# Altium PCB Evaluation Board.PcbDoc (part 1 of 22) (continued)
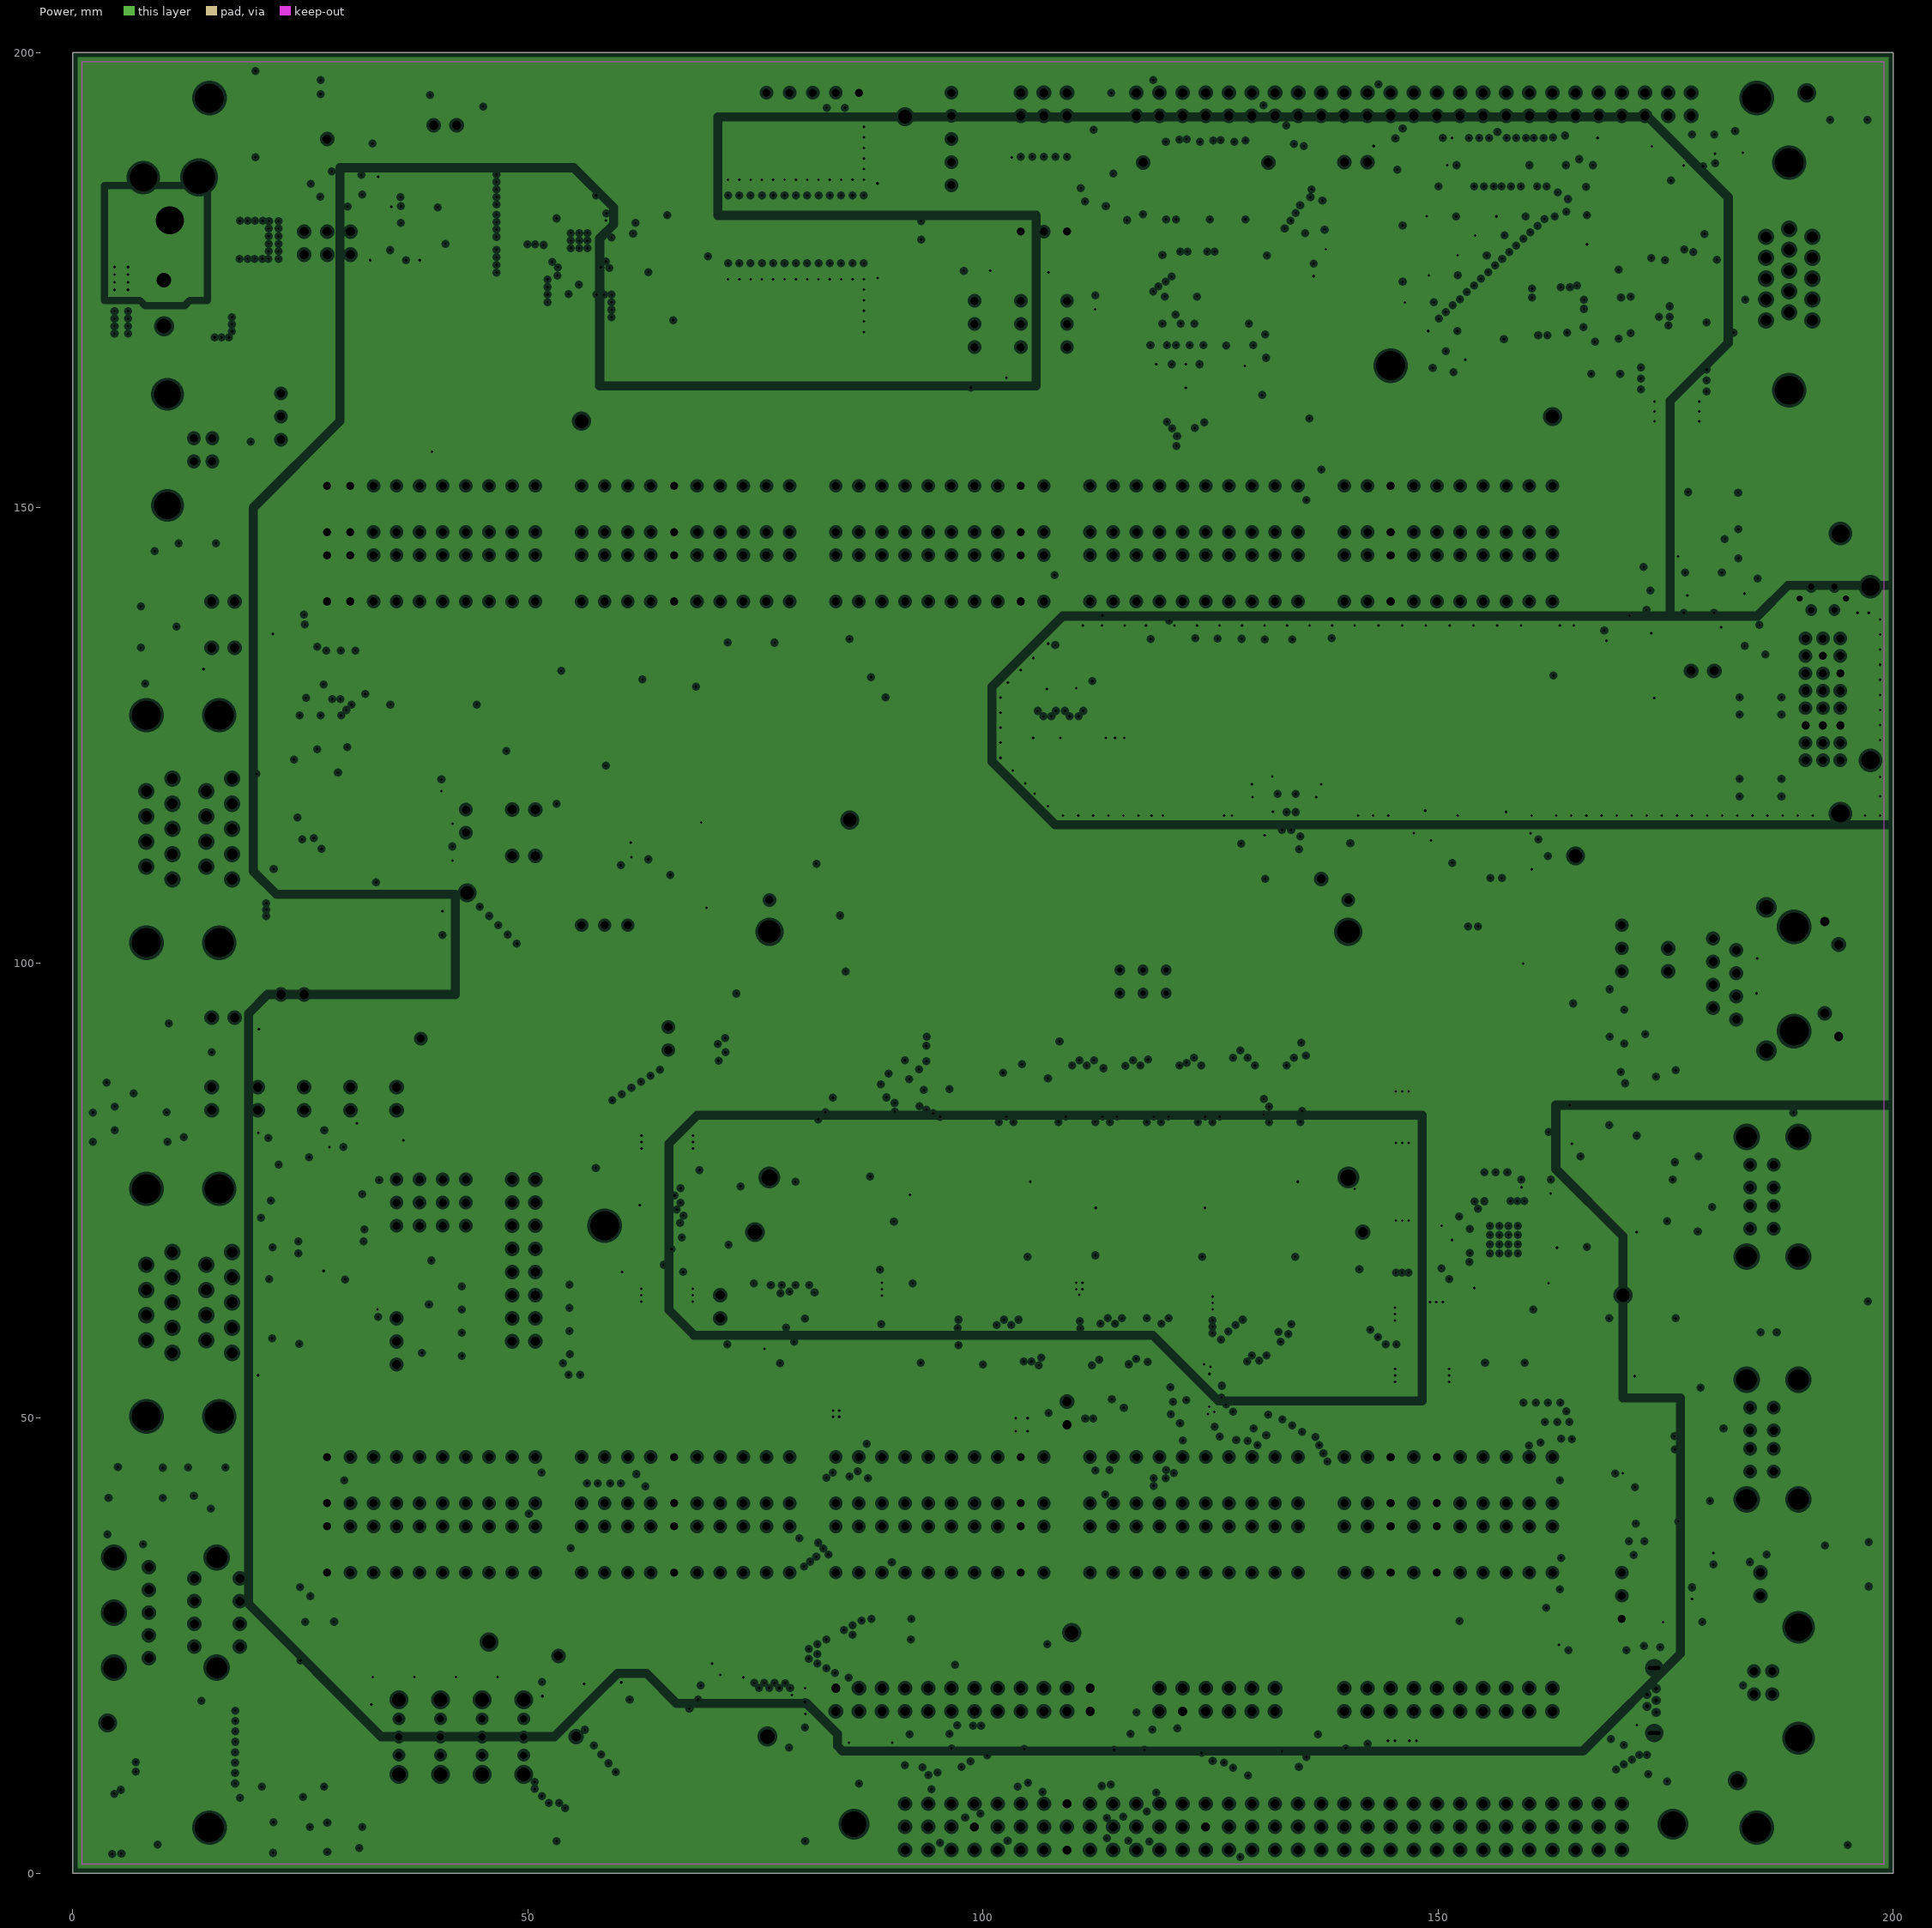
[diagram p3: Power, clearances drawn from the general rule]

## Layer stack, top to bottom
Top Layer: signal copper 0.043
Dielectric: prepreg 0.1123, FR-4, Dk 4.8
GND: plane copper 0.035, net (Multiple Nets)
Dielectric: core 1.1794, FR-4, Dk 4.8
Power: plane copper 0.035, net (Multiple Nets)
Dielectric: prepreg 0.1123, FR-4, Dk 4.8
Bottom Layer: signal copper 0.043

## Board outline
0,0 0,200 200,200 200,0

## Design rules (kind name [scope] priority, off if disabled: settings)
Clearance [All] p1: gap=0.15
ComponentClearance ComponentClearance_PCB [(InComponent('MECH1'))] p1: gap=0 collisioncheckmode=3 verticalgap=0 showdistances=FALSE
ComponentClearance [All] p2: gap=0.2 collisioncheckmode=3 verticalgap=0.254 showdistances=TRUE
DiffPairsRouting DiffPair_DIFF100DiffPairsRouting [InDifferentialPairClass('DIFF100')] p1: maxlimit=0.203 minlimit=0.203 mostfreqgap=0.203 maxuncoupledlength=12.7
DiffPairsRouting DiffPair_DIFF90DiffPairsRouting [InDifferentialPairClass('DIFF90')] p2: maxlimit=0.152 minlimit=0.152 mostfreqgap=0.152 maxuncoupledlength=12.7
DiffPairsRouting [All] p3: maxlimit=0.254 minlimit=0.254 mostfreqgap=0.254 maxuncoupledlength=12.7
Height [All] p1: minheight=0 maxheight=40 prefheight=12.7
HoleSize [All] p1: absolutevalues=TRUE maxlimit=4 minlimit=0.025 maxpercent=80.000 minpercent=20.000
MinimumSolderMaskSliver [All] p1: minsoldermaskwidth=0
PlaneClearance [All] p1: clearance=0.3
PlaneConnect PlaneConnect_Power_IN [(InComponent('X33')OR InComponent('X35'))] p1: planeconnectstyle=Relief reliefexpansion=0.8 reliefentries=4 reliefconductorwidth=0.6 reliefairgap=0.254
PlaneConnect PlaneConnect_VIAS [Isvia] p2: planeconnectstyle=Direct reliefexpansion=0.508 reliefentries=4 reliefconductorwidth=0.254 reliefairgap=0.254
PlaneConnect [All] p3: planeconnectstyle=Relief reliefexpansion=0.3 reliefentries=4 reliefconductorwidth=0.2 reliefairgap=0.15
PolygonConnect PolygonConnect_Inductors [(InComponent('L21')OR InComponent('R44')OR InComponent('T2'))] p1: connectstyle=Direct reliefconductorwidth=0.254 reliefentries=4 polygonreliefangle="90 Angle"
PolygonConnect PolygonConnect_Via [Isvia] p2: connectstyle=Direct reliefconductorwidth=0.254 reliefentries=4 polygonreliefangle="90 Angle"
PolygonConnect PolygonConnect_Power [(InComponent('D6') OR InComponent('L18')OR InComponent('L19')OR InComponent('L46'))] p3: connectstyle=Relief reliefconductorwidth=0.6 reliefentries=4 polygonreliefangle="90 Angle"
PolygonConnect [All] p4: connectstyle=Relief reliefconductorwidth=0.4 reliefentries=4 polygonreliefangle="90 Angle"
RoutingVias [All] p1: holewidth=0.3 width=0.6 viastyle="Through Hole" minholewidth=0.3 minwidth=0.6 maxholewidth=0.3 maxwidth=0.6
SilkToSilkClearance [All] p1: silktosilkclearance=0.1
SilkscreenOverComponentPads [All] p1: minsilkscreentomaskgap=0.1
SolderMaskExpansion [All] p1: expansion=0
Width DiffPair_DIFF100Width [InDifferentialPairClass('DIFF100')] p1: maxlimit=0.152 minlimit=0.152 preferedwidth=0.152
Width DiffPair_DIFF90Width [InDifferentialPairClass('DIFF90')] p2: maxlimit=0.178 minlimit=0.15 preferedwidth=0.178
Width Power [(InNet('3.3v') OR InNet('5V') OR InNet('GND')OR InNet('VDD_CL')OR InNet('VDD_DVI')OR InNet('EARTH')OR InNet('NetFLT4_1')OR InNet ('V_SUPPLY_FILT')OR InNet ('GND_IN')OR InNet ('+12V_IN')OR InNet('GND_LVDS')OR InNet ('GND_PLL')OR InNet ('VCC_PLL')OR InNet ('VCC_LVDS')OR InNet ('AUDIO_AVCC')OR InNet ('AUDIO_AGND')OR InNet ('VCC_ISO')OR InNet ('GND_ISO')OR InNet ('SEL_1')OR InNet ('SEL_2')OR InNet ('SEL_3')OR InNet ('LVDS_3.3V')OR InNet ('LVDS_5V')OR InNet ('+V_DISPLAY')OR InNet ('ETH_AGND')OR InNet ('ETH_AVCC')OR InNet ('VSTB')OR InNet ('V5FILT')OR InNet ('VREG3')OR InNet('DVI_5V'))] p3: maxlimit=1.5 minlimit=0.3 preferedwidth=0.3
Width [All] p4: maxlimit=1.5 minlimit=0.14 preferedwidth=0.15
19 further rules are at their usual default settings.

## Classes and differential pairs
net class USB_PWR_SODIMM[0..2]: USB_PWR_SODIMM0 USB_PWR_SODIMM1 USB_PWR_SODIMM2
net class USB_PWR[0..2]: USB_PWR0 USB_PWR1 USB_PWR2
net class USB_C[0..1]: USB_C0 USB_C1
net class UART_B[0..7]: UART_B0 UART_B1 UART_B2 UART_B3 UART_B4 UART_B5 UART_B6 UART_B7
net class UART_A[0..7]: UART_A0 UART_A1 UART_A2 UART_A3 UART_A4 UART_A5 UART_A6 UART_A7
net class TOUCH[0..3]: TOUCH0 TOUCH1 TOUCH2 TOUCH3
net class SSP_SODIMM[0..4]: SSP_SODIMM0 SSP_SODIMM1 SSP_SODIMM2 SSP_SODIMM3 SSP_SODIMM4
net class SSP[0..4]: SSP0 SSP1 SSP2 SSP3 SSP4
net class SERIAL_SODIMM[0..13]: SERIAL_SODIMM0 SERIAL_SODIMM1 SERIAL_SODIMM2 SERIAL_SODIMM3 SERIAL_SODIMM4 SERIAL_SODIMM5 SERIAL_SODIMM6 SERIAL_SODIMM7 SERIAL_SODIMM8 SERIAL_SODIMM9 SERIAL_SODIMM10 SERIAL_SODIMM11 SERIAL_SODIMM12 SERIAL_SODIMM13
net class SERIAL[0..13]: SERIAL0 SERIAL1 SERIAL2 SERIAL3 SERIAL4 SERIAL5 SERIAL6 SERIAL7 SERIAL8 SERIAL9 SERIAL10 SERIAL11 SERIAL12 SERIAL13
net class SD_SODIMM[0..6]: SD_SODIMM0 SD_SODIMM1 SD_SODIMM2 SD_SODIMM3 SD_SODIMM4 SD_SODIMM5 SD_SODIMM6
net class SD[0..6]: SD0 SD1 SD2 SD3 SD4 SD5 SD6
net class RS485_[0..3]: RS485_0 RS485_1 RS485_2 RS485_3
net class PWM_SODIMM[0..3]: PWM_SODIMM0 PWM_SODIMM1 PWM_SODIMM2 PWM_SODIMM3
net class PWM[0..3]: PWM0 PWM1 PWM2 PWM3
net class LVDS[0..7]: LVDS0 LVDS1 LVDS2 LVDS3 LVDS4 LVDS5 LVDS6 LVDS7
net class LCD_SODIMM[0..28]: LCD_SODIMM0 LCD_SODIMM1 LCD_SODIMM2 LCD_SODIMM3 LCD_SODIMM4 LCD_SODIMM5 LCD_SODIMM6 LCD_SODIMM7 LCD_SODIMM8 LCD_SODIMM9 LCD_SODIMM10 LCD_SODIMM11 LCD_SODIMM12 LCD_SODIMM13 LCD_SODIMM14 LCD_SODIMM15 LCD_SODIMM16 LCD_SODIMM17 LCD_SODIMM18 LCD_SODIMM19 LCD_SODIMM20 LCD_SODIMM21 LCD_SODIMM22 LCD_SODIMM23 LCD_SODIMM24 LCD_SODIMM25 LCD_SODIMM26 LCD_SODIMM27 LCD_SODIMM28
net class LCD[0..28]: LCD0 LCD1 LCD2 LCD3 LCD4 LCD5 LCD6 LCD7 LCD8 LCD9 LCD10 LCD11 LCD12 LCD13 LCD14 LCD15 LCD16 LCD17 LCD18 LCD19 LCD20 LCD21 LCD22 LCD23 LCD24 LCD25 LCD26 LCD27 LCD28
net class JTAG[0..5]: JTAG0 JTAG1 JTAG2 JTAG3 JTAG4 JTAG5
net class I2C[0..1]: I2C0 I2C1
net class GPIOS_SODIMM[0..5]: GPIOS_SODIMM0 GPIOS_SODIMM1 GPIOS_SODIMM2 GPIOS_SODIMM3 GPIOS_SODIMM4 GPIOS_SODIMM5
net class ETHERNET[0..6]: ETHERNET0 ETHERNET1 ETHERNET2 ETHERNET3 ETHERNET4 ETHERNET5 ETHERNET6
net class CS_EXT_IO[0..6]: CS_EXT_IO0 CS_EXT_IO1 CS_EXT_IO2 CS_EXT_IO3 CS_EXT_IO4 CS_EXT_IO5 CS_EXT_IO6
net class CIF[0..12]: CIF_D_1 CIF_D_2 CIF_D_3 CIF_D_4 CIF_D_5 CIF_D_8 CIF_D_9 CIF_D_10 CIF_D_11 CIF_HSYNC CIF_MCLK CIF_PCLK CIF_VSYNC SODIMM_59 SODIMM_67 SODIMM_71
net class BUS_SODIMM[0..66]: BUS_SODIMM0 BUS_SODIMM1 BUS_SODIMM2 BUS_SODIMM3 BUS_SODIMM4 BUS_SODIMM5 BUS_SODIMM6 BUS_SODIMM7 BUS_SODIMM8 BUS_SODIMM9 BUS_SODIMM10 BUS_SODIMM11 BUS_SODIMM12 BUS_SODIMM13 BUS_SODIMM14 BUS_SODIMM15 BUS_SODIMM16 BUS_SODIMM17 BUS_SODIMM18 BUS_SODIMM19 BUS_SODIMM20 BUS_SODIMM21 BUS_SODIMM22 BUS_SODIMM23 BUS_SODIMM24 BUS_SODIMM25 BUS_SODIMM26 BUS_SODIMM27 BUS_SODIMM28 BUS_SODIMM29 BUS_SODIMM30 BUS_SODIMM31 BUS_SODIMM32 BUS_SODIMM33 BUS_SODIMM34 BUS_SODIMM35 BUS_SODIMM36 BUS_SODIMM37 BUS_SODIMM38 BUS_SODIMM39 BUS_SODIMM40 BUS_SODIMM41 BUS_SODIMM42 BUS_SODIMM43 BUS_SODIMM44 BUS_SODIMM45 BUS_SODIMM46 BUS_SODIMM47 BUS_SODIMM48 BUS_SODIMM49 BUS_SODIMM50 BUS_SODIMM51 BUS_SODIMM52 BUS_SODIMM53 BUS_SODIMM54 BUS_SODIMM55 BUS_SODIMM56 BUS_SODIMM57 BUS_SODIMM58 BUS_SODIMM59 BUS_SODIMM60 BUS_SODIMM61 BUS_SODIMM62 BUS_SODIMM63 BUS_SODIMM64 BUS_SODIMM65 BUS_SODIMM66
net class AUDIO[0..6]: AUDIO0 AUDIO1 AUDIO2 AUDIO3 AUDIO4 AUDIO5 AUDIO6
component class VGA: C16 C17 C25 C26 C27 C28 C29 C30 C31 C180 C181 C182 C183 C184 C185 C186 C187 C188 C189 D15 D16 IC3 IC25 IC26 L48 L49 L50 L51 L52 R6 R7 R8 R11 R12 R14 R15 R16 R175 R176 R185 X24
component class DVI-I: C12 C13 C14 C15 C18 C19 C20 C21 C22 C23 C32 C33 C34 C35 C36 C37 C38 C39 C40 C41 C42 C43 C44 D1 D2 D3 D4 D5 IC1 IC2 JP1 L1 L2 L3 L4 L5 L8 L9 R4 R5 R9 R10 R13 R17 R18 R19 X5 X6
differential pair class LVDS: D_LVDS_CLK D_LVDS_OUT0 D_LVDS_OUT1 D_LVDS_OUT2
differential pair class HDMI: D_TMDS_CLK D_TMDS_DATA0 D_TMDS_DATA1 D_TMDS_DATA2
component class Camera_Interface: C173 C174 R56 R155 R168 R171 RA35 RA36 RA37 X22
component class Unified_Interface: R89 R90 R100 R101 R110 X34
net class ANALOG_IN[0..3]: ANALOG_IN0 ANALOG_IN1 ANALOG_IN2 ANALOG_IN3
component class USB: C114 C115 C116 C117 C118 C119 C120 C121 C122 C123 C124 C125 C126 C127 C128 C129 C130 C131 C132 C133 C134 C135 C136 C137 C138 C139 C140 C141 C142 C143 C144 D10 D11 D12 D13 IC13 IC14 IC15 IC16 JP2 L27 L28 L29 L30 L31 L32 L33 L34 L35 L36 L37 L38 L39 L40 L41 L42 L43 LED7 LED8 LED9 LED10 LED15 OSC2 R68 R69 R70 R71 R72 R73 R74 R78 R79 R80 R81 R82 R83 R84 R85 R86 R87 R88 R102 R103 R140 R144 R145 R173 R187 R188 R? RA21 RA28 T3 X29 X30 X31 X32
component class Serial: C97 C98 C99 C100 C101 C102 C103 C104 C105 C106 C107 C108 C109 C110 C111 C112 C113 C177 C178 C179 IC8 IC9 IC10 IC11 IC12 JP11 JP12 JP13 JP14 JP15 JP16 JP17 JP18 JP19 JP20 JP21 L26 LED5 LED6 R57 R58 R61 R62 R63 R64 R65 R66 R67 R147 R148 R149 R150 R151 R154 R172 R174 R177 R178 RA2 RA3 RA4 TP3 TP4 TP5 X25 X27 X36
component class SDCard: C94 C95 C96 L25 R50 R51 R52 R53 R54 R60 RA32 RA34 TP6 X15
component class RTC: BAT1 C90 C91 C92 C93 D8 D9 IC7 JP23 OSC1 R45 R46 R47 R48 R49
component class PowerSupply: C57 C58 C59 C60 C61 C62 C63 C64 C65 C66 C67 C68 C69 C70 C71 C72 C73 C74 C75 C76 C77 C78 C79 C80 C81 C82 C84 C85 C86 C87 C88 C89 D6 D7 D14 IC5 IC6 JP10 JP25 L18 L19 L20 L21 L22 L23 L24 L46 LED13 LED14 MECH1 MECH2 MECH4 MECH5 MECH6 MECH7 MECH8 MECH9 R31 R32 R33 R34 R35 R36 R37 R38 R39 R40 R41 R42 R43 R44 R76 R91 R92 R156 R157 R158 R159 R160 R161 R162 R163 R164 R165 R166 R167 R184 R189 R190 T1 T2 TP7 TP12 TP13 TP14 TP15 TP16 TP17 TP18 TP19 TP20 TP21 TP22 X1 X7 X8 X9 X10 X11 X12 X33 X35 X37
component class Power_Switch: C166 C167 C168 C169 C170 C171 C172 IC21 IC22 IC23 JP28 LED18 R55 R59 R75 R77 R93 R94 R134 R136 R137 R139 R146 SW7 SW8 SW9 T6 T7 T8 TP8 X4
component class LVDS: C50 C51 C52 C53 C54 C55 C56 IC4 JP7 JP8 JP9 L12 L13 L14 L15 L16 L17 R26 R27 R28 R29 R30 R186 X18
component class LEDs_Switches: LED1 LED2 LED3 LED4 R118 R119 R120 R121 R122 R123 R124 R125 R126 R127 R128 R129 R130 R131 R132 R133 R135 R138 R152 R153 R180 R181 R182 R183 SW1 SW2 SW3 SW4 SW5 SW6 T4 T5 X21
component class LDD: RA1 RA5 RA6 RA7 RA8 RA9 RA10 RA16
component class JTAG: C83 C175 IC24 JP29 R111 R112 R113 R114 R115 R116 R117 TP11 X13 X19 X28
component class Generic_Display: C145 C146 C147 C148 C149 C150 C151 C152 C153 C176 JP24 L44 L45 L47 TP9 TP10 X16 X20 X23
component class Ethernet: C45 C46 C47 C48 C49 JP3 JP6 L10 L11 R20 R21 R22 R23 R24 R25 X17
component class CAN: C158 C159 C160 C161 C162 C163 C164 C165 IC17 IC18 IC19 IC20 JP4 JP5 JP26 JP27 LED11 LED12 OSC3 R104 R105 R106 R107 R108 R109 RA11 X2 X38
component class Audio: C1 C2 C3 C4 C5 C6 C7 C8 C9 C10 C11 R1 R2 R3 TP1 TP2 X26
component class Analog_IOs: C154 C155 C156 C157 R95 R96 R97 R98 R99 RA29 RA33 X14
component class Extension: R141 R142 R143 RA12 RA13 RA14 RA15 RA17 RA18 RA19 RA20 RA22 RA23 RA24 RA25 RA26 RA30 RA31 X3
differential pair class DIFF100: D_ETH_RXI D_ETH_TX0 D_LVDS_CLK D_LVDS_OUT0 D_LVDS_OUT1 D_LVDS_OUT2 D_TMDS_CLK D_TMDS_DATA0 D_TMDS_DATA1 D_TMDS_DATA2
differential pair class DIFF90: D_USB1 D_USB1_C D_USB2 D_USB2_C D_USB3 D_USB3_C D_USB4 D_USB4_C D_USBC D_USBC_C D_USBH USBC_B USBD USBH_S
component class GPIOs: R169 R170 RA27
net class HDMI: TMDS_CLK_N TMDS_CLK_P TMDS_DATA0_N TMDS_DATA0_P TMDS_DATA1_N TMDS_DATA1_P TMDS_DATA2_N TMDS_DATA2_P
differential pair USBC_B: +USBC_B_P -USBC_B_N
differential pair USBH_S: +USBH_S_P -USBH_S_N
differential pair D_ETH_RXI: +ETH_RXI_P -ETH_RXI_N
differential pair D_ETH_TX0: +ETH_TX0_P -ETH_TX0_N
differential pair D_LVDS_CLK: +LVDS_CLK_P -LVDS_CLK_N
differential pair D_LVDS_OUT0: +LVDS_OUT0_P -LVDS_OUT0_N
differential pair D_LVDS_OUT1: +LVDS_OUT1_P -LVDS_OUT1_N
differential pair D_LVDS_OUT2: +LVDS_OUT2_P -LVDS_OUT2_N
differential pair D_TMDS_CLK: +TMDS_CLK_P -TMDS_CLK_N
differential pair D_TMDS_DATA0: +TMDS_DATA0_P -TMDS_DATA0_N
differential pair D_TMDS_DATA1: +TMDS_DATA1_P -TMDS_DATA1_N
differential pair D_TMDS_DATA2: +TMDS_DATA2_P -TMDS_DATA2_N
differential pair D_USB1_C: +USB1_C_P -USB1_C_N
differential pair D_USB1: +USB1_P -USB1_N
differential pair D_USB2_C: +USB2_C_P -USB2_C_N
differential pair D_USB2: +USB2_P -USB2_N
differential pair D_USB3_C: +USB3_C_P -USB3_C_N
differential pair D_USB3: +USB3_P -USB3_N
differential pair D_USB4_C: +USB4_C_P -USB4_C_N
differential pair D_USB4: +USB4_P -USB4_N
differential pair D_USBC_C: +USBC_C_P -USBC_C_N
differential pair D_USBC: +USBC_P -USBC_N
differential pair D_USBH: +USBH_P -USBH_N
differential pair USBD: +USBD_P -USBD_N

## Components (designator, comment, footprint, x,y, rotation, side; value= is the part's Value field where it differs from the comment)
BAT1 "HU2032-LF" T_RENATA_HU2032-LF 51.816,91.694 r180 top locked
C1 "15pF" T_CAPC0603X33N 24.1,30.65 r270 top
C2 "15pF" T_CAPC0603X33N 24.13,24.1 r90 top
C3 "15pF" T_CAPC0603X33N 27.168,27.619 r180 top
C4 "47uF" CAPMP3528X210N 20.063,40.901 r180 top
C5 "47uF" CAPMP3528X210N 20.063,37.612 r180 top
C6 "15pF" T_CAPC0603X33N 15.15,38.381 r270 top
C7 "15pF" T_CAPC0603X33N 13.291,39.806 r270 top
C8 "15pF" T_CAPC0603X33N 9.868,42.895 r270 top
C9 "15pF" T_CAPC0603X33N 4.559,38.1 r0 top
C10 "47uF" CAPMP3528X210N 7.699,39.173 r270 top
C11 "15pF" T_CAPC0603X33N 3.91,42.894 r90 top
C12 "47pF" T_CAPC0603X33N 183.322,142.24 r0 top
C13 "100nF" T_CAPC0603X33N 174.463,143.471 r0 top
C14 "47pF" T_CAPC0603X33N 181.1,138.557 r270 top
C15 "100nF" T_CAPC0603X33N 174.755,138.753 r0 top
C16 "100nF" T_CAPC0603X33N 169.997,177.052 r180 top
C17 "100nF" T_CAPC0603X33N 169.997,178.236 r180 top
C18 "10pF" T_CAPC0603X33N 177.136,144.67 r270 top
C19 "10pF" T_CAPC0603X33N 181.166,144.657 r270 top
C20 "10pF" T_CAPC0603X33N 177.461,149.91 r90 top
C21 "10pF" T_CAPC0603X33N 181.491,148.36 r270 top
C22 "10pF" T_CAPC0603X33N 184.766,151.664 r180 top
C23 "10pF" T_CAPC0603X33N 184.766,147.634 r180 top
C25 "22uF" CAPMP3528X210N 176.225,163.955 r0 top
C26 "10nF" T_CAPC0603X33N 171.949,169.969 r90 top
C27 "100nF" T_CAPC0603X33N 173.093,169.969 r90 top
C28 "10nF" T_CAPC0603X33N 173.093,172.435 r270 top
C29 "100nF" T_CAPC0603X33N 171.949,172.435 r270 top
C30 "10nF" T_CAPC0603X33N 167.825,165.484 r90 top
C31 "100nF" T_CAPC0603X33N 168.983,165.484 r90 top
C32 "4.7pF" T_CAPC0603X33N 170.296,134.435 r180 top
C33 "4.7pF" T_CAPC0603X33N 167.723,134.435 r0 top
C34 "220pF" T_CAPC0603X33N 173.736,130.797 r270 top
C35 "100nF" T_CAPC0603X33N 150.368,182.007 r180 top
C36 "100nF" T_CAPC0603X33N 150.513,169.418 r180 top
C37 "100nF" T_CAPC0603X33N 158.011,182.007 r180 top
C38 "100nF" T_CAPC0603X33N 155.673,179.918 r180 top
C39 "100nF" T_CAPC0603X33N 166.345,180.543 r270 top
C40 "100nF" T_CAPC0603X33N 144.526,189.738 r180 top
C41 "100nF" T_CAPC0603X33N 177.883,189.409 r270 top
C42 "100nF" T_CAPC0603X33N 150.573,175.526 r180 top
C43 "100nF" T_CAPC0603X33N 147.93,172.553 r180 top
C44 "100nF" T_CAPC0603X33N 153.735,177.724 r180 top
C45 "100nF" T_CAPC0603X33N 173.66,91.161 r90 top
C46 "100nF" T_CAPC0603X33N 173.469,95.622 r270 top
C47 "100nF" T_CAPC0603X33N 172.745,102.006 r90 top
C48 "47uF" CAPMP3528X210N 163.144,100.152 r270 top
C49 "47uF" CAPMP3528X210N 166.726,100.152 r270 top
C50 "100nF" T_CAPC0603X33N 114.3,188.722 r90 top
C51 "100nF" T_CAPC0603X33N 114.554,182.372 r90 top
C52 "10nF" T_CAPC0603X33N 129.52,166.472 r180 top
C53 "10nF" T_CAPC0603X33N 122.985,166.726 r180 top
C54 "10nF" T_CAPC0603X33N 119.985,166.726 r180 top
C55 "10nF" T_CAPC0603X33N 116.332,172.568 r270 top
C56 "10nF" T_CAPC0603X33N 132.334,176.054 r270 top
C57 "100nF" T_CAPC0603X33N 85.585,193.04 r0 top
C58 "100nF" T_CAPC0603X33N 13.887,172.6 r270 top
C59 "10uF" CAPC3225X160N 43.688,177.8 r180 top
C60 "10uF" CAPC3225X160N 43.688,181.356 r180 top
C61 "10uF" CAPC3225X160N 43.688,184.912 r180 top
C62 "100nF" T_CAPC0603X33N 82.042,193.04 r0 top
C63 "10uF" CAPC3225X160N 47.744,168.91 r270 top
C64 "10uF" CAPC3225X160N 51.3,168.91 r270 top
C65 "10uF" T_CAPC0805X125N 50.292,177.8 r0 top
C66 "100nF" T_CAPC0603X33N 54.864,175.514 r0 top
C67 "1uF" T_CAPC0603X33N 50.317,180.848 r0 top
C68 "150uF" CAPMP7343X310N 74.633,175.962 r90 top
C69 "150uF" CAPMP7343X310N 79.713,175.962 r90 top
C70 "150uF" CAPMP7343X310N 84.793,175.962 r90 top
C71 "100nF" T_CAPC0603X33N 72.898,98.298 r90 top
C72 "10uF" T_CAPC0603X33N 50.346,182.101 r0 top
C73 "22uF" CAPC3225X160N 43.688,174.244 r180 top
C74 "1nF" T_CAPC0603X33N 60.768,179.33 r180 top
C75 "2.7nF" CAPC1005X60N 62.738,176.784 r180 top
C76 "10uF" CAPC3225X160N 47.49,189.738 r90 top
C77 "10uF" CAPC3225X160N 51.046,189.738 r90 top
C78 "100nF" T_CAPC0603X33N 54.864,183.134 r0 top
C79 "22uF" CAPMP3528X210N 146.05,68.834 r270 top
C80 "4.7uF" T_CAPMP3216X180N 108.966,61.722 r270 top
C81 "4.7uF" T_CAPMP3216X180N 124.094,61.334 r270 top
C82 "4.7uF" T_CAPMP3216X180N 90.17,62.484 r270 top
C83 "4.7uF" T_CAPC0603X33N 170.925,37.592 r180 top
C84 "150uF" CAPMP7343X310N 74.633,185.156 r270 top
C85 "150uF" CAPMP7343X310N 79.713,185.156 r270 top
C86 "150uF" CAPMP7343X310N 84.793,185.156 r270 top
C87 "1nF" T_CAPC0603X33N 60.198,182.097 r0 top
C88 "2.2uF" T_CAPC0603X33N 79.248,60.119 r90 top
C89 "2.2uF" T_CAPC0603X33N 73.377,59.865 r90 top
C90 "27pF" T_CAPC0603X33N 152.497,103.116 r0 top
C91 "27pF" T_CAPC0603X33N 155.147,103.116 r180 top
C92 "22uF" CAPC3225X160N 154.687,116.578 r180 top
C93 "100nF" T_CAPC0603X33N 151.536,112.661 r90 top
C94 "10uF" T_CAPC0603X33N 66.951,19.337 r180 top
C95 "100nF" T_CAPC0603X33N 66.951,20.607 r180 top
C96 "10nF" T_CAPC0603X33N 54.61,21.59 r0 top
C97 "100nF" T_CAPC0603X33N 11.447,94.125 r270 top
C98 "100nF" T_CAPC0603X33N 28.331,65.243 r180 top
C99 "100nF" T_CAPC0603X33N 28.931,78.74 r180 top
C100 "100nF" T_CAPC0603X33N 23.363,78.74 r180 top
C101 "100nF" T_CAPC0603X33N 23.363,65.243 r180 top
C102 "100nF" T_CAPC0603X33N 32.507,61.875 r90 top
C103 "100nF" T_CAPC0603X33N 32.761,76.913 r90 top
C104 "100nF" T_CAPC0603X33N 21.248,76.299 r90 top
C105 "100nF" T_CAPC0603X33N 31.491,65.243 r0 top
C106 "100nF" T_CAPC0603X33N 31.567,78.74 r0 top
C107 "100nF" T_CAPC0603X33N 21.248,63.431 r90 top
C108 "100nF" T_CAPC0603X33N 23.7,137.16 r180 top
C109 "4.7uF" T_CAPMP3216X180N 24.225,134.721 r0 top
C110 "10nF" T_CAPC0603X33N 17.78,152.14 r270 top
C111 "100nF" T_CAPC0603X33N 25.05,123.483 r180 top
C112 "47pF" T_CAPC0603X33N 14.948,145.081 r180 top
C113 "47pF" T_CAPC0603X33N 12.408,145.081 r0 top
C114 "100nF" T_CAPC0603X33N 169.215,17.882 r180 top
C115 "100uF" CAPMP6032X280N 178.562,24.818 r180 top
C116 "100nF" T_CAPC0603X33N 182.702,21.419 r90 top
C117 "100nF" T_CAPC0603X33N 176.784,45.466 r0 top
C118 "100uF" CAPMP6032X280N 175.768,48.006 r180 top
C119 "1nF" T_CAPC0603X33N 181.356,47.181 r270 top
C120 "100nF" T_CAPC0603X33N 175.768,53.835 r90 top
C121 "100nF" T_CAPC0603X33N 178.993,39.894 r180 top
C122 "100uF" CAPMP6032X280N 175.768,42.418 r180 top
C123 "1nF" T_CAPC0603X33N 186.436,38.862 r180 top
C124 "100nF" T_CAPC0603X33N 176.784,78.994 r0 top
C125 "100uF" CAPMP6032X280N 175.768,76.2 r180 top
C126 "1nF" T_CAPC0603X33N 181.356,75.375 r270 top
C127 "100nF" T_CAPC0603X33N 176.022,70.866 r270 top
C128 "100nF" T_CAPC0603X33N 176.098,86.411 r270 top
C129 "100uF" CAPMP6032X280N 174.498,83.058 r180 top
C130 "1nF" T_CAPC0603X33N 181.356,83.058 r90 top
C131 "4.7uF" T_CAPC0603X33N 154.433,75.426 r270 top
C132 "100nF" T_CAPC0603X33N 155.703,75.426 r270 top
C133 "100nF" T_CAPC0603X33N 152.6,70.375 r270 top
C134 "1uF" T_CAPC0603X33N 161.437,75.426 r270 top
C135 "100nF" T_CAPC0603X33N 162.294,69.596 r180 top
C136 "100nF" T_CAPC0603X33N 161.544,64.77 r90 top
C137 "100nF" T_CAPC0603X33N 153.162,65.278 r0 top
C138 "100nF" T_CAPC0603X33N 160.135,75.426 r270 top
C139 "33pF" T_CAPC0603X33N 158.727,57.138 r180 top
C140 "1uF" T_CAPC0603X33N 158.243,75.426 r270 top
C141 "100nF" T_CAPC0603X33N 156.973,75.426 r270 top
C142 "33pF" T_CAPC0603X33N 155.727,57.138 r0 top
C143 "1uF" T_CAPC0603X33N 159.005,63.996 r180 top
C144 "100nF" T_CAPC0603X33N 159.005,62.834 r180 top
C145 "1nF" T_CAPC0603X33N 104.14,190.246 r90 top
C146 "1nF" T_CAPC0603X33N 105.41,190.246 r90 top
C147 "1nF" T_CAPC0603X33N 106.68,190.246 r90 top
C148 "1nF" T_CAPC0603X33N 107.95,190.246 r90 top
C149 "1nF" T_CAPC0603X33N 109.22,190.246 r90 top
C150 "100nF" T_CAPC0603X33N 110.744,186.69 r90 top
C151 "22uF" CAPMP3528X210N 108.204,183.642 r0 top
C152 "22uF" CAPMP3528X210N 99.339,181.28 r180 top
C153 "100nF" T_CAPC0603X33N 99.339,183.82 r0 top
C154 "330nF" T_CAPC0805X125N 44.714,56.82 r0 top
C155 "330nF" T_CAPC0805X125N 44.714,59.36 r0 top
C156 "330nF" T_CAPC0805X125N 44.714,61.9 r0 top
C157 "330nF" T_CAPC0805X125N 44.714,64.44 r0 top
C158 "100nF" T_CAPC0603X33N 24.366,112.51 r180 top
C159 "100nF" T_CAPC0603X33N 60.198,112.453 r270 top
C160 "100nF" T_CAPC0603X33N 40.791,112.014 r270 top
C161 "100nF" T_CAPC0603X33N 26.45,112.025 r270 top
C162 "22pF" T_CAPC0603X33N 58.549,123.458 r90 top
C163 "22pF" T_CAPC0603X33N 48.467,122.502 r270 top